# Altium PCB 大创_电机驱动MCU部分.PcbDoc
Units mm, origin at the board's own origin, x right, y up, seen from the top; angles counter-clockwise.
Board outline 98.01 x 89.03 mm, 2 copper layers (Top Layer, Bottom Layer); 11 components, 28 nets, 150 pads, 40 vias.
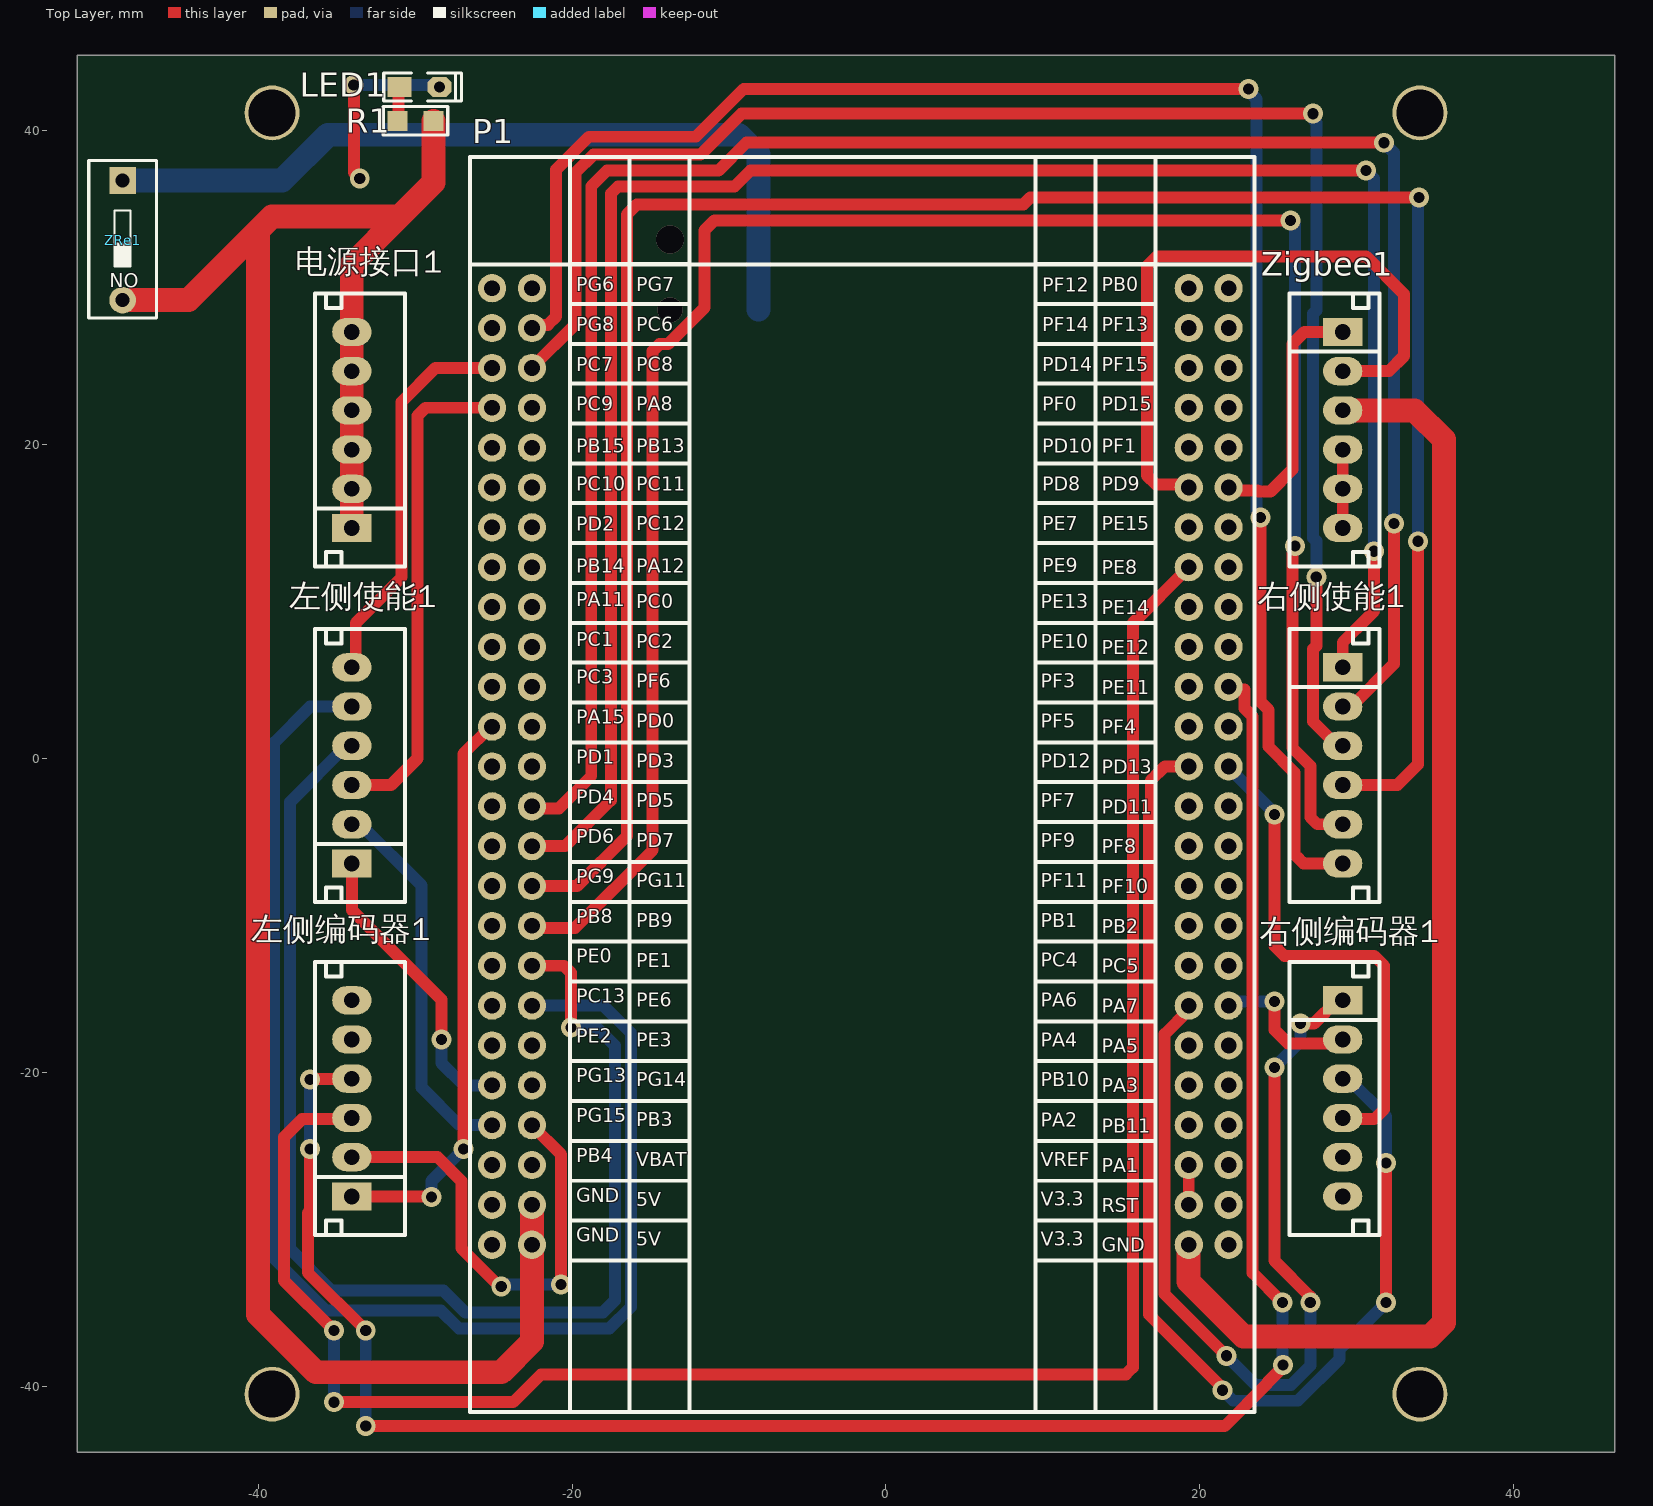
[diagram p0: Top Layer view]
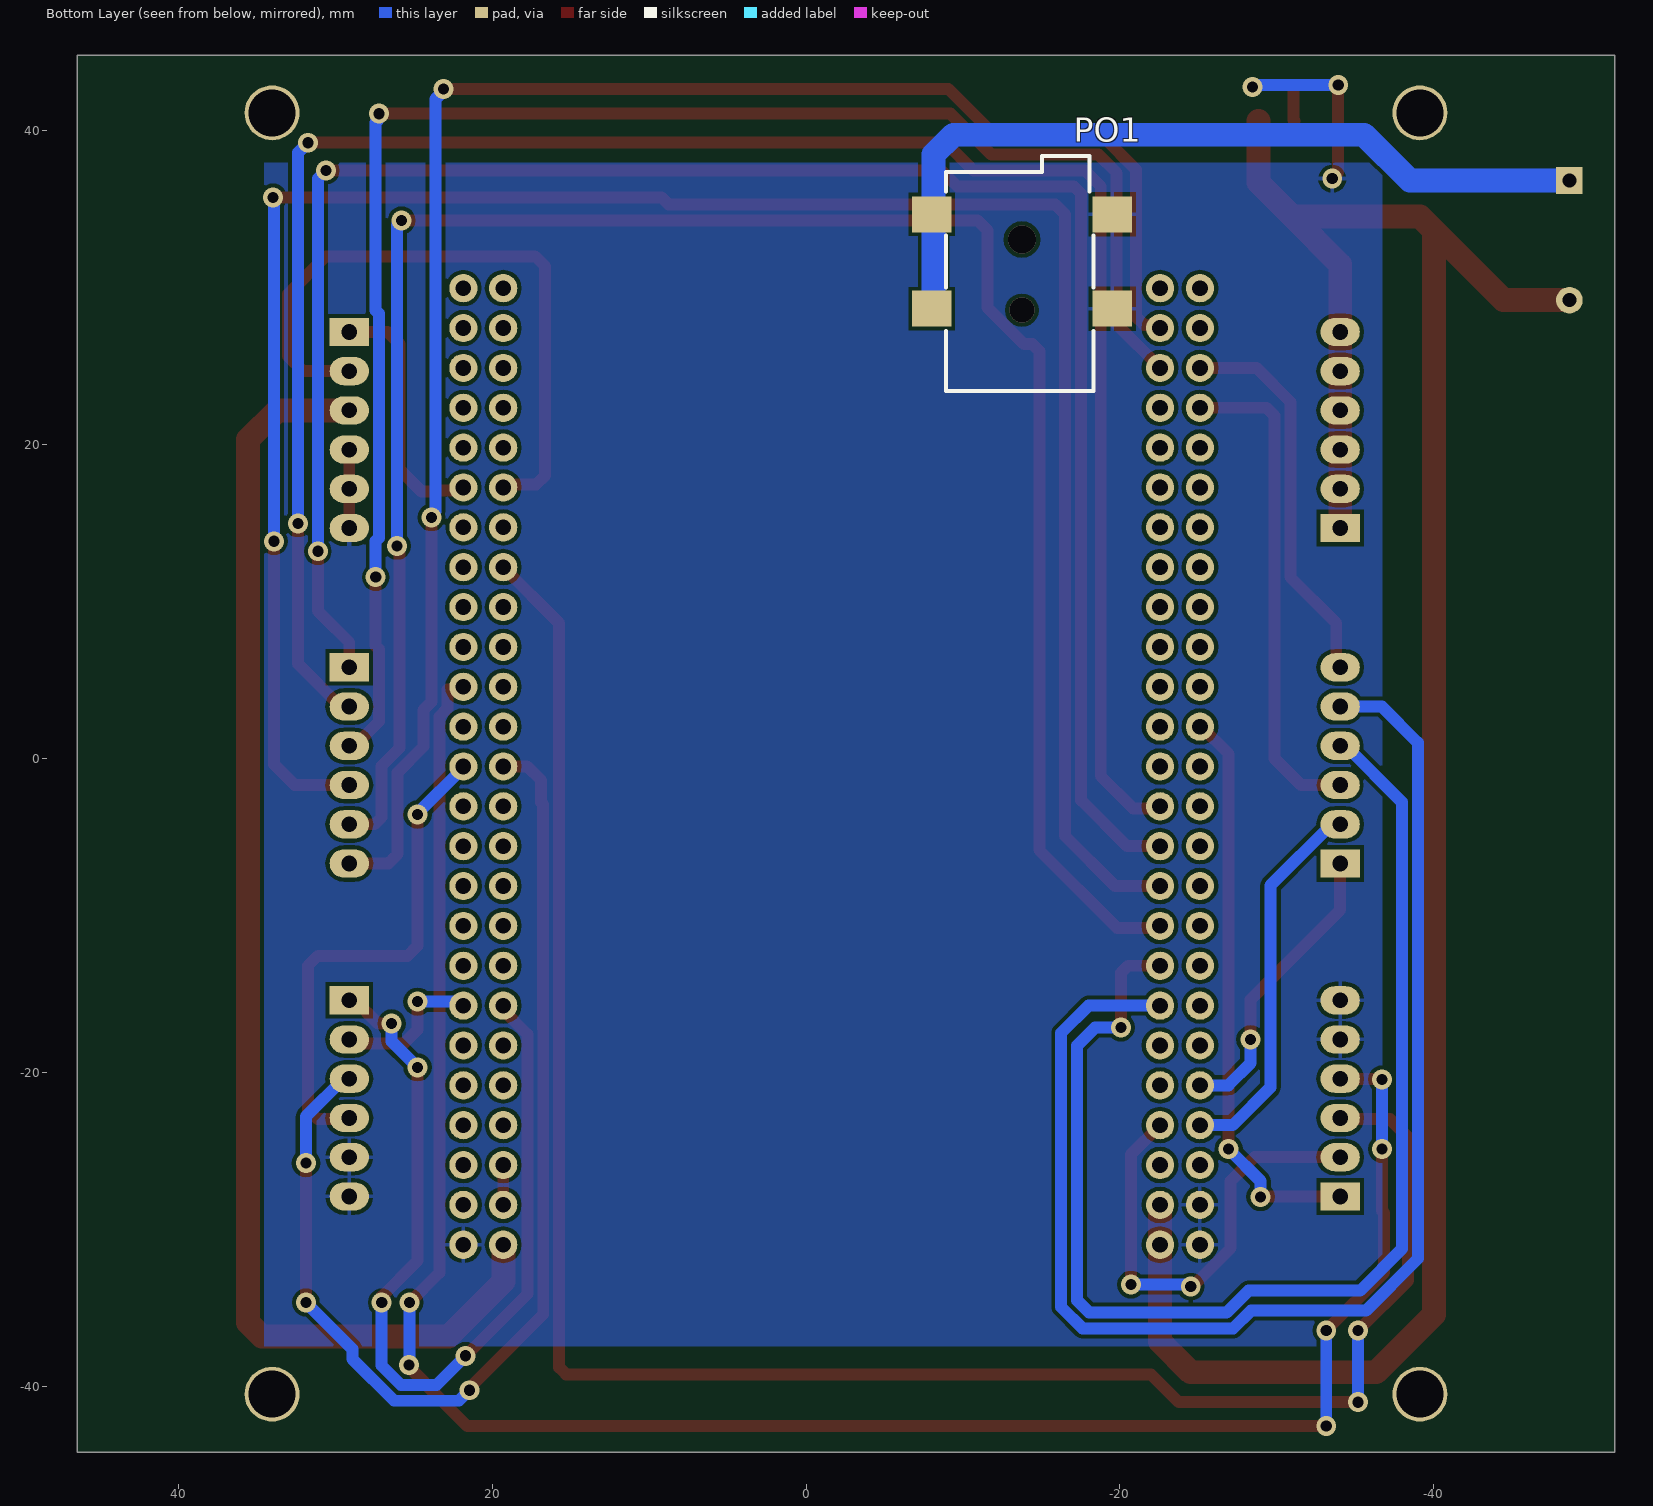
[diagram p1: Bottom Layer view, seen from below]
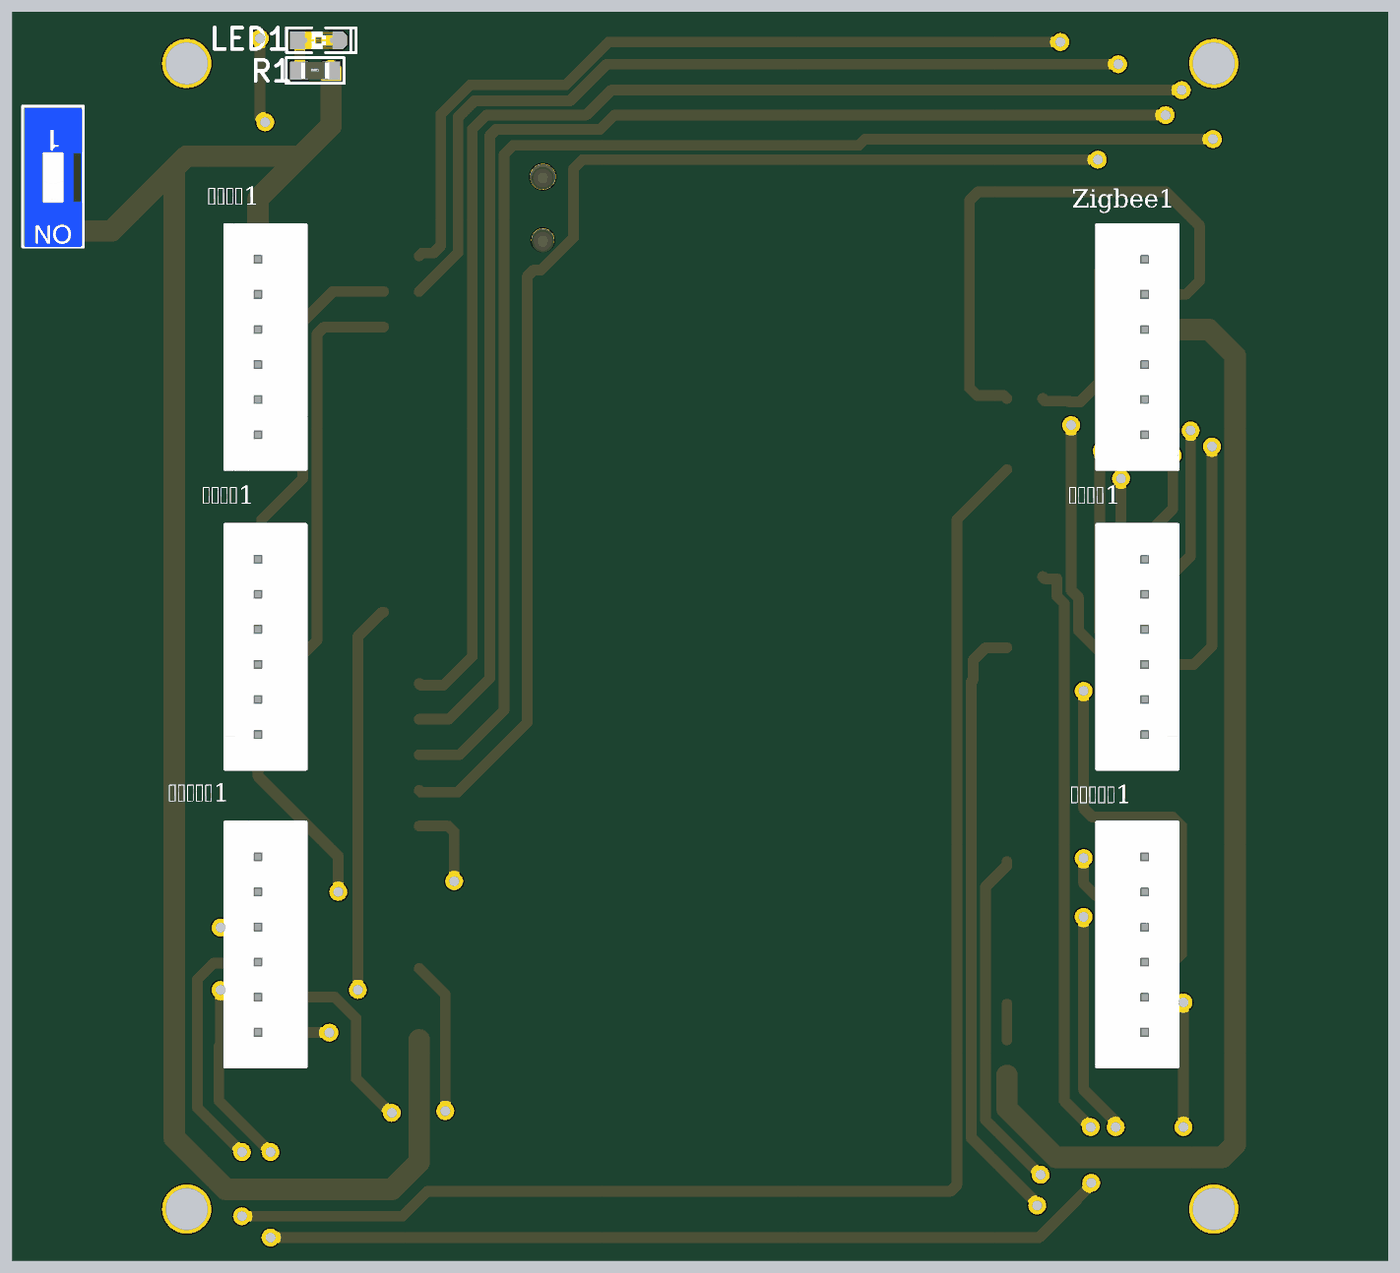
[diagram p2: 3D render of the assembled board from above, using the file's embedded part models]

## Layer stack, top to bottom
Top Solder: solder mask 0.0102, Solder Resist, Dk 3.5
Top Layer: signal copper 0.0356
Dielectric 1: dielectric 0.32, FR-4, Dk 4.8
Bottom Layer: signal copper 0.0356
Bottom Solder: solder mask 0.0102, Solder Resist, Dk 3.5

## Board outline
-51.545,-44.196 -51.545,44.831 46.465,44.831 46.465,-44.196

## Design rules (kind name [scope] priority, off if disabled: settings)
Clearance [All] p1: gap=0.254 ignorepadtopadclearanceinfootprint=FALSE except(0: Arc-Hole Track-Hole SMDPad-Hole THPad-Hole Via-Hole Fill-Hole Poly-Hole Region-Hole Text-Hole)
HoleSize [All] p1: absolutevalues=TRUE maxlimit=3.81 minlimit=0.025 maxpercent=80.000 minpercent=20.000
PolygonConnect [All] p1: connectstyle=Relief reliefconductorwidth=0.254 reliefentries=4 polygonreliefangle="90 Angle" airgapwidth=0.254
RoutingVias [All] p1: holewidth=0.711 width=1.27 viastyle="Through Hole" minholewidth=0.711 minwidth=1.27 maxholewidth=0.711 maxwidth=1.27
SilkToSilkClearance [All] p1: silktosilkclearance=0.025
SilkToSolderMaskClearance [IsPad] p1: minsilkscreentomaskgap=0.025 clearancetoexposedcopper=TRUE
SolderMaskExpansion [All] p1: expansion=0.102 istentingtop=FALSE
Width [All] p1: maxlimit=2.54 minlimit=0.254 preferedwidth=0.762 minimp=50.000000 maximp=50.000000 favimp=50.000000
27 further rules are at their usual default settings.

## Components (designator, comment, footprint, x,y, rotation, side; value= is the part's Value field where it differs from the comment)
LED1 "MCU指示" "LED 0805R" -29.718,42.799 r0 top
P1 "STM32F103ZET6" 主控STM32F103ZET6 -102.185,3.048 r0 top locked
PO1 "POWER" DC-050-5.5*2.1_贴片 -13.751,33.071 r90 bottom
R1 "2.5k" "R 0805_M" -29.972,40.64 r0 top
Zigbee1 "XH6" XH6/2.54mm/180 29.117,27.185 r270 top
ZRe1 "ZigReset" 蓝色拨码开关_1p -48.641,33.02 r180 top
右侧使能1 "XH6" XH6/2.54mm/180 29.117,5.809 r270 top
右侧编码器1 "XH6" XH6/2.54mm/180 29.117,-15.407 r270 top
左侧使能1 "XH6" XH6/2.54mm/180 -34.036,-6.691 r90 top
左侧编码器1 "XH6" XH6/2.54mm/180 -34.036,-27.907 r90 top
电源接口1 "XH6" XH6/2.54mm/180 -34.036,14.685 r90 top

## Footprints (in the part's own frame and the unit in brackets; to place one, negate y for a bottom-side part, rotate by r counter-clockwise, add the part's x,y. Pads: shape width x height; smd on the part's side, far side on the other; paste and mask are expansions set on the pad)
DC-050-5.5*2.1_贴片 [mm] "5.5*2.1"
  rect 2.3x2.5 smd: 1(-4.4,5.75) 1(1.6,5.75) 2(-4.4,-5.75) 3(1.6,-5.75)
  silkscreen extent -9.65,-4.57 5.33,4.83, body extent -9.59,-6.3 5.21,6.3, height 11
"LED 0805R" [mil] "红色0805LED"
  rect 60x50 smd: 1(-50,0)
  oct 60x50 smd: 2(50,0)
  silkscreen extent -90,-35 105,35, body extent -39,-25 39,25, height 32
"R 0805_M" [mil] "1/8W贴片电阻"
  rect 50x50 smd: 1(-45,0) 2(45,0)
  silkscreen extent -81,-36 81,36, body extent -39,-25 39,25, height 20
XH6/2.54mm/180 [mm]
  rect 1.8x2.5 hole 1: 1(0,0)
  oval 1.8x2.5 hole 1: 2(2.5,0) 3(5,0) 4(7.5,0) 5(10,0) 6(12.5,0)
  silkscreen extent -2.45,-3.4 14.95,2.35, body extent -2.45,-3.4 14.95,2.35, height 7
主控STM32F103ZET6 [mm]
  round 1.8 hole 1 paste+0: 1(124.029,26.924) 2(124.029,24.384) 3(124.029,21.844) 4(124.029,19.304) 5(124.029,16.764) 6(124.029,14.224) 7(124.029,11.684) 8(124.029,9.144) 9(124.029,6.604) 10(124.029,4.064) 11(124.029,1.524) 12(124.029,-1.016) 13(124.029,-3.556) 14(124.029,-6.096) 15(124.029,-8.636) 16(124.029,-11.176) 17(124.029,-13.716) 18(124.029,-16.256) 19(124.029,-18.796) 20(124.029,-21.336) 21(124.029,-23.876) 22(124.029,-26.416) 23(124.029,-28.956) 24(124.029,-31.496) 25(124.029,-34.036) 26(121.489,-34.036) 27(121.489,-31.496) 28(121.489,-28.956) 29(121.489,-26.416) 30(121.489,-23.876) 31(121.489,-21.336) 32(121.489,-18.796) 33(121.489,-16.256) 34(121.489,-13.716) 35(121.489,-11.176) 36(121.489,-8.636) 37(121.489,-6.096) 38(121.489,-3.556) 39(121.489,-1.016) 40(121.489,1.524) 41(121.489,4.064) 42(121.489,6.604) 43(121.489,9.144) 44(121.489,11.684) 45(121.489,14.224) 46(121.489,16.764) 47(121.489,19.304) 48(121.489,21.844) 49(121.489,24.384) 50(121.489,26.924) 51(79.629,26.924) 52(79.629,24.384) 53(79.629,21.844) 54(79.629,19.304) 55(79.629,16.764) 56(79.629,14.224) 57(79.629,11.684) 58(79.629,9.144) 59(79.629,6.604) 60(79.629,4.064) 61(79.629,1.524) 62(79.629,-1.016) 63(79.629,-3.556) 64(79.629,-6.096) 65(79.629,-8.636) 66(79.629,-11.176) 67(79.629,-13.716) 68(79.629,-16.256) 69(79.629,-18.796) 70(79.629,-21.336) 71(79.629,-23.876) 72(79.629,-26.416) 73(79.629,-28.956) 74(79.629,-31.496) 75(79.629,-34.036) 76(77.089,26.924) 77(77.089,24.384) 78(77.089,21.844) 79(77.089,19.304) 80(77.089,16.764) 81(77.089,14.224) 82(77.089,11.684) 83(77.089,9.144) 84(77.089,6.604) 85(77.089,4.064) 86(77.089,1.524) 87(77.089,-1.016) 88(77.089,-3.556) 89(77.089,-6.096) 90(77.089,-8.636) 91(77.089,-11.176) 92(77.089,-13.716) 93(77.089,-16.256) 94(77.089,-18.796) 95(77.089,-21.336) 96(77.089,-23.876) 97(77.089,-26.416) 98(77.089,-28.956) 99(77.089,-31.496) 100(77.089,-34.036)
  silkscreen extent 75.69,-44.71 125.69,35.29
蓝色拨码开关_1p [mm] "4.1*9.9*7mm"
  rect 1.7x1.7 hole 0.9: 1(0,-3.81)
  round 1.7 hole 0.9: 2(0,3.81)
  silkscreen extent -2.16,-5.08 2.16,4.95, body extent -2.07,-4.95 2.03,4.95, height 6.65

## Part data
LED1: library part LED-SMD, "贴片LED", BOM名称=贴片LED, 学习资源=https://lmdzstyle.taobao.com/, 版权归属=黎明电子style
P1: "正电原子 STM32F103C8T6"
R1: library part R, "贴片电阻", BOM名称=贴片电阻, 学习资源=https://lmdzstyle.taobao.com/, 版权归属=黎明电子style
ZRe1: library part "TSW 3x6", "3x6轻触开关", BOM名称=3x6轻触开关, 学习资源=https://lmdzstyle.taobao.com/, 版权归属=黎明电子style

## Free pads (board coordinates)
  round 3.5 hole 3 unplated paste+0: 0(-39.116,-40.513) 0(-39.116,41.148) 0(34.036,-40.513) 0(34.036,41.148)

## Via types
v1: diameter 1.27, hole 0.711, Top Layer to Bottom Layer, 38 vias
v2: diameter 1.6, hole 1.6, Top Layer to Bottom Layer, 1 vias
v3: diameter 1.8, hole 1.8, Top Layer to Bottom Layer, 1 vias

## Nets (pads, with @x,y where several pads share a name; then routed paths per layer and width w, separated by ;. In a path a pad name is that pad's centre, name@x,y a point inside that pad or via, vN(x,y) a via of type N, cw(c..) or ccw(c..) an arc to the next point about the centre after c; other vN are vias at no path point)
GGND: LED1.2 P1.25 P1.99 P1.100 PO1.2 PO1.3 Zigbee1.4 Zigbee1.5 Zigbee1.6 右侧编码器1.5 右侧编码器1.6 左侧编码器1.5 左侧编码器1.6 | length 16.6
  Top Layer w0.762: v1(-33.909,42.926) -33.909,37.338 v1(-33.528,36.957) ; Zigbee1.6 Zigbee1.5 Zigbee1.4
  Bottom Layer w0.762: v1(-33.909,42.926) -28.712,42.926 -28.585,42.799 v1(-28.448,42.799)
NetLED1_1: LED1.1 R1.1 | length 2.2
  Top Layer w0.762: R1.1 -31.051,40.703 -31.051,42.735 LED1.1
NetP1_27: P1.27 P1.28 | length 2.5
  Top Layer w0.762: P1.27 P1.28
RX_Zigbee: P1.45 Zigbee1.2 | length 42.2
  Top Layer w0.762: P1.45 19.105,17.471 17.2,17.471 16.637,18.034 16.637,31.369 17.272,32.004 30.607,32.004 33.02,29.591 33.02,25.654 32.051,24.685 Zigbee1.2
TX_Zigbee: P1.6 Zigbee1.1 | length 16.3
  Top Layer w0.762: P1.6 22.043,17.073 23.694,17.073 23.749,17.018 24.511,17.018 25.908,18.415 25.908,26.416 26.677,27.185 Zigbee1.1
VBAT5: PO1.1 ZRe1.1 | length 52.1
  Bottom Layer w1.524: ZRe1.1 -38.481,36.83 -35.56,39.751 -9.398,39.751 -8.128,38.481 -8.128,34.671 PO1.1@-8.128,28.615
VCC3.3: P1.26 Zigbee1.3 | length 83.9
  Top Layer w1.524: P1.26 19.3,-30.992 19.3,-33.335 22.796,-36.83 34.667,-36.83 35.56,-35.937 35.56,20.32 33.695,22.185 Zigbee1.3
VCC5MCU: P1.74 P1.75 R1.2 ZRe1.2 电源接口1.1 电源接口1.2 电源接口1.3 电源接口1.4 电源接口1.5 电源接口1.6 | length 145.6
  Top Layer w1.524: ZRe1.2 -44.446,29.21 -40.005,33.651 ; 电源接口1.1 电源接口1.2 电源接口1.3 电源接口1.4 电源接口1.5 电源接口1.6 -34.036,31.496 -30.988,34.544 ; R1.2 -28.829,36.703 -30.988,34.544 ; P1.74 P1.75 -22.556,-37.161 -24.511,-39.116 -36.322,-39.116 -40.005,-35.433 -40.005,33.651 ; -40.005,33.651 -39.112,34.544 -30.988,34.544
右前ENABLE: P1.53 右侧使能1.3 | length 103.8
  Top Layer w0.762: P1.53 -19.792,27.656 -19.792,37.318 -18.629,38.481 -11.811,38.481 -9.198,41.094 v1(27.232,41.094) ; v1(27.432,11.557) 27.432,7.172 27.232,6.972 27.232,2.344 28.767,0.809 右侧使能1.3
  Bottom Layer w0.762: v1(27.232,41.094) 27.329,40.997 27.329,40.638 27.432,40.535 27.432,28.548 27.232,28.348 27.232,14.049 27.432,13.849 v1(27.432,11.557)
右前IN1: P1.65 右侧使能1.1 | length 126.3
  Top Layer w0.762: P1.65 -20.447,-5.588 -17.526,-2.667 -17.526,36.003 -17.08,36.449 -9.652,36.449 -8.636,37.465 v1(30.607,37.465) ; 右侧使能1.1 29.117,7.4 30.734,9.017 31.115,9.398 v1(31.115,13.208)
  Bottom Layer w0.762: v1(30.607,37.465) 31.115,36.957 v1(31.115,13.208)
右前IN2: P1.64 右侧使能1.2 | length 131.8
  Top Layer w0.762: P1.64 -22.429,-3.175 -20.828,-3.175 -18.776,-1.123 -18.776,36.469 -17.78,37.465 -10.668,37.465 -8.89,39.243 v1(31.75,39.243) ; 右侧使能1.2 29.665,3.309 32.385,6.029 v1(32.385,14.986)
  Bottom Layer w0.762: v1(31.75,39.243) 32.385,38.608 v1(32.385,14.986)
右前编码器正: P1.32 右侧编码器1.1 | length 58
  Top Layer w0.762: P1.32 19.304,-16.029 17.769,-17.564 17.769,-34.138 21.697,-38.066 v1(21.701,-38.066) ; v1(24.765,-19.685) 24.765,-32.004 27.051,-34.29 v1(27.051,-34.671) ; v1(26.416,-16.891) 27.283,-16.891 28.767,-15.407 右侧编码器1.1
  Bottom Layer w0.762: v1(21.701,-38.066) 23.548,-39.913 25.834,-39.913 27.051,-38.695 v1(27.051,-34.671) ; v1(24.765,-19.685) 26.416,-18.034 v1(26.416,-16.891)
右前编码器负: P1.19 右侧编码器1.2 | length 9.6
  Top Layer w0.762: v1(24.765,-15.494) 24.765,-17.29 25.636,-18.161 28.863,-18.161 右侧编码器1.2
  Bottom Layer w0.762: P1.19 22.098,-15.494 v1(24.765,-15.494)
右后ENABLE: P1.52 右侧使能1.6 | length 110.8
  Top Layer w0.762: P1.52 -22.357,27.631 -21.545,27.631 -21.021,28.155 -21.021,37.526 -18.923,39.624 -12.105,39.624 -9.057,42.672 v1(23.114,42.672) ; v1(23.876,15.367) 23.876,3.608 24.395,3.089 24.395,0.751 26.035,-0.889 26.035,-6.096 26.289,-6.35 26.63,-6.691 右侧使能1.6
  Bottom Layer w0.762: v1(23.114,42.672) 23.114,42.535 23.622,42.027 23.622,15.758 23.876,15.504 v1(23.876,15.367)
右后IN1: P1.66 右侧使能1.4 | length 139.4
  Top Layer w0.762: P1.66 -19.685,-8.128 -16.51,-4.953 -16.51,34.671 -15.875,35.306 8.758,35.306 9.202,35.75 v1(33.972,35.75) ; 右侧使能1.4 32.599,-1.691 33.909,-0.381 v1(33.909,13.843)
  Bottom Layer w0.762: v1(33.909,13.843) 33.909,35.687 v1(33.972,35.75)
右后IN2: P1.67 右侧使能1.5 | length 129.5
  Top Layer w0.762: P1.67 -22.429,-10.795 -19.812,-10.795 -14.859,-5.842 -14.859,25.97 -14.413,26.416 -13.877,26.416 -11.557,28.736 -11.557,33.655 -10.922,34.29 v1(25.781,34.29) ; v1(26.065,13.547) 25.968,13.45 25.968,13.134 25.908,13.074 25.908,0.675 27.051,-0.468 27.051,-3.745 27.497,-4.191 右侧使能1.5
  Bottom Layer w0.762: v1(25.781,34.29) 26.065,34.006 v1(26.065,13.547)
右后编码器正: P1.38 右侧编码器1.3 | length 72.9
  Top Layer w0.762: P1.38 17.78,-0.508 16.891,-1.397 16.891,-2.794 16.764,-2.921 16.764,-17.22 16.753,-17.231 16.753,-35.422 21.463,-40.132 v1(21.463,-40.259) ; v1(31.877,-34.671) v1(31.877,-25.781)
  Bottom Layer w0.762: v1(21.463,-40.259) 22.133,-40.929 26.254,-40.929 28.907,-38.276 28.907,-37.641 v1(31.877,-34.671) ; 右侧编码器1.3 29.467,-20.407 31.877,-22.817 v1(31.877,-25.781)
右后编码器负: P1.13 右侧编码器1.4 | length 32.2
  Top Layer w0.762: v1(24.765,-3.574) 24.765,-11.938 25.4,-12.573 31.115,-12.573 31.75,-13.208 31.75,-22.352 31.115,-22.987 29.197,-22.987 右侧编码器1.4
  Bottom Layer w0.762: P1.13 21.844,-0.581 24.765,-3.502 v1(24.765,-3.574)
左前ENABLE: P1.79 左侧使能1.3 | length 31.7
  Top Layer w0.762: 左侧使能1.3 -31.536,-1.691 -29.845,0 -29.845,21.844 -29.337,22.352 P1.79
左前IN1: P1.96 左侧使能1.1 | length 18.9
  Top Layer w0.762: 左侧使能1.1 -34.036,-9.652 -28.321,-15.367 v1(-28.321,-17.907)
  Bottom Layer w0.762: v1(-28.321,-17.907) -28.321,-19.415 -26.908,-20.828 P1.96
左前IN2: P1.97 左侧使能1.2 | length 24.4
  Bottom Layer w0.762: 左侧使能1.2 -33.488,-4.191 -29.591,-8.088 -29.591,-20.955 -27.178,-23.368 P1.97
左前编码器正: P1.87 左侧编码器1.1 | length 36.7
  Top Layer w0.762: 左侧编码器1.1 -34.02,-27.924 -28.972,-27.924 v1(-28.956,-27.94) ; v1(-26.924,-24.892) -26.924,0.299 -25.191,2.032 P1.87
  Bottom Layer w0.762: v1(-28.956,-27.94) -28.956,-26.924 v1(-26.924,-24.892)
左前编码器负: P1.72 左侧编码器1.2 | length 30.2
  Top Layer w0.762: 左侧编码器1.2 -28.568,-25.407 -27.051,-26.924 -27.051,-31.204 -24.6,-33.655 v1(-24.511,-33.655) ; P1.72 -20.701,-25.223 v1(-20.701,-33.528)
  Bottom Layer w0.762: v1(-24.511,-33.655) -24.384,-33.528 v1(-20.701,-33.528)
左后ENABLE: P1.78 左侧使能1.6 | length 24.9
  Top Layer w0.762: 左侧使能1.6 -33.782,6.063 -33.782,8.636 -30.861,11.557 -30.861,22.733 -28.702,24.892 P1.78
左后IN1: P1.68 左侧使能1.4 | length 82.3
  Top Layer w0.762: P1.68 -20.512,-13.208 -20.066,-13.654 v1(-20.066,-17.145)
  Bottom Layer w0.762: 左侧使能1.4 -34.386,0.809 -37.973,-2.778 -37.973,-31.242 -35.306,-33.909 -28.194,-33.909 -26.797,-35.306 -18.034,-35.306 -17.272,-34.544 -17.272,-18.288 -18.415,-17.145 v1(-20.066,-17.145)
左后IN2: P1.69 左侧使能1.5 | length 88.4
  Bottom Layer w0.762: 左侧使能1.5 -36.696,3.309 -38.989,1.016 -38.989,-31.877 -35.687,-35.179 -28.361,-35.179 -27.218,-36.322 -17.613,-36.322 -16.256,-34.965 -16.256,-17.486 -17.994,-15.748 P1.69
左后编码器正: P1.43 左侧编码器1.3 | length 127.3
  Top Layer w0.762: v1(-35.179,-41.021) -23.749,-41.021 -21.971,-39.243 15.291,-39.243 15.737,-38.797 15.737,-16.811 15.748,-16.8 15.748,8.636 P1.43 ; v1(-35.179,-36.449) -38.354,-33.274 -38.354,-24.13 -37.211,-22.987 -34.116,-22.987 左侧编码器1.3
  Bottom Layer w0.762: v1(-35.179,-41.021) v1(-35.179,-36.449)
左后编码器负: P1.11 左侧编码器1.4 | length 131.7
  Top Layer w0.762: v1(-36.703,-24.892) -36.703,-28.834 -36.83,-28.961 -36.83,-32.766 v1(-33.147,-36.449) ; v1(-36.703,-20.447) -36.683,-20.427 -34.056,-20.427 左侧编码器1.4 ; v1(-33.147,-42.545) 21.59,-42.545 24.322,-39.813 24.322,-39.765 25.308,-38.78 v1(25.308,-38.643) ; P1.11 22.005,4.411 22.86,4.411 22.86,3.187 23.379,2.668 23.379,-32.777 v1(25.273,-34.671)
  Bottom Layer w0.762: v1(-36.703,-24.892) v1(-36.703,-20.447) ; v1(-33.147,-42.545) v1(-33.147,-36.449) ; v1(25.273,-34.671) 25.29,-34.688 25.29,-38.625 v1(25.308,-38.643)
pads on no net: P1.1 P1.2 P1.3 P1.4 P1.5 P1.7 P1.8 P1.9 P1.10 P1.12 P1.14 P1.15 P1.16 P1.17 P1.18 P1.20 P1.21 P1.22 P1.23 P1.24 P1.29 P1.30 P1.31 P1.33 P1.34 P1.35 P1.36 P1.37 P1.39 P1.40 P1.41 P1.42 P1.44 P1.46 P1.47 P1.48 P1.49 P1.50 P1.51 P1.54 P1.55 P1.56 P1.57 P1.58 P1.59 P1.60 P1.61 P1.62 P1.63 P1.70 P1.71 P1.73 P1.76 P1.77 P1.80 P1.81 P1.82 P1.83 P1.84 P1.85 P1.86 P1.88 P1.89 P1.90 P1.91 P1.92 P1.93 P1.94 P1.95 P1.98
copper on no net:
  other v2: -13.751,28.571
  other v3: -13.751,33.071

## Polygon pours and split planes (outlines as drawn)
GGND on Bottom Layer "GGND_L02_P000" (solid, pour order 0): 34.544,37.973 34.544,-37.465 -36.83,-37.465 -36.703,-37.338 -36.703,37.973 -35.433,37.973

## Silkscreen, mask and mechanical layers (free items; w line width, h text height)
Mechanical 1:
  lines w0.254: -51.545,-44.196 -51.545,43.942 -51.545,44.831 46.465,44.831 46.465,-44.196 -51.545,-44.196

## Text inside footprints (layer, text, board x,y; h text height)
P1: Top Overlay "GND" at 13.766,-31.761 h1.52; Top Overlay "RST" at 13.767,-29.221 h1.52; Top Overlay "PA1" at 13.766,-26.694 h1.52; Top Overlay "PB11" at 13.766,-24.154 h1.52; Top Overlay "PA3" at 13.766,-21.601 h1.52; Top Overlay "PA5" at 13.766,-19.061 h1.52; Top Overlay "PA7" at 13.766,-16.521 h1.52; Top Overlay "PC5" at 13.766,-13.981 h1.52; Top Overlay "PB2" at 13.766,-11.454 h1.52; Top Overlay "PF10" at 13.766,-8.901 h1.52; Top Overlay "PF8" at 13.766,-6.361 h1.52; Top Overlay "PD11" at 13.766,-3.834 h1.52; Top Overlay "PD13" at 13.766,-1.281 h1.52; Top Overlay "PF4" at 13.766,1.246 h1.52; Top Overlay "PE11" at 13.766,3.786 h1.52; Top Overlay "PE12" at 13.766,6.326 h1.52; Top Overlay "PE14" at 13.766,8.866 h1.52; Top Overlay "PE8" at 13.766,11.419 h1.52; Top Overlay "V3.3" at 9.867,-28.835 h1.52; Top Overlay "VREF" at 9.867,-26.313 h1.52; Top Overlay "V3.3" at 9.867,-31.375 h1.52; Top Overlay "PA2" at 9.867,-23.773 h1.52; Top Overlay "PB10" at 9.867,-21.22 h1.52; Top Overlay "PA4" at 9.867,-18.693 h1.52; Top Overlay "PA6" at 9.867,-16.14 h1.52; Top Overlay "PC4" at 9.867,-13.6 h1.52; Top Overlay "PB1" at 9.867,-11.073 h1.52; Top Overlay "PF11" at 9.867,-8.533 h1.52; Top Overlay "PF9" at 9.867,-5.98 h1.52; Top Overlay "PF7" at 9.867,-3.44 h1.52; Top Overlay "PD12" at 9.867,-0.913 h1.52; Top Overlay "PF5" at 9.867,1.64 h1.52; Top Overlay "PF3" at 9.867,4.18 h1.52; Top Overlay "PE10" at 9.867,6.72 h1.52; Top Overlay "PE13" at 9.867,9.26 h1.52; Top Overlay "5V" at -15.914,-31.38 h1.52; Top Overlay "5V" at -15.914,-28.84 h1.52; Top Overlay "VBAT" at -15.914,-26.313 h1.52; Top Overlay "PB3" at -15.914,-23.76 h1.52; Top Overlay "PG14" at -15.914,-21.22 h1.52; Top Overlay "PE3" at -15.914,-18.68 h1.52; Top Overlay "PE6" at -15.914,-16.14 h1.52; Top Overlay "PE1" at -15.914,-13.613 h1.52; Top Overlay "PB9" at -15.914,-11.06 h1.52; Top Overlay "PG11" at -15.914,-8.52 h1.52; Top Overlay "PD7" at -15.914,-5.98 h1.52; Top Overlay "PD5" at -15.914,-3.44 h1.52; Top Overlay "PD3" at -15.914,-0.9 h1.52; Top Overlay "PD0" at -15.914,1.64 h1.52; Top Overlay "PF6" at -15.914,4.18 h1.52; Top Overlay "PC2" at -15.914,6.72 h1.52; Top Overlay "PC0" at -15.914,9.26 h1.52; Top Overlay "PC1" at -19.724,6.847 h1.52; Top Overlay "GND" at -19.724,-31.126 h1.52; Top Overlay "GND" at -19.724,-28.586 h1.52; Top Overlay "PB4" at -19.724,-26.059 h1.52; Top Overlay "PG15" at -19.724,-23.506 h1.52; Top Overlay "PG13" at -19.724,-20.966 h1.52; Top Overlay "PE2" at -19.724,-18.439 h1.52; Top Overlay "PC13" at -19.724,-15.886 h1.52; Top Overlay "PE0" at -19.724,-13.346 h1.52; Top Overlay "PB8" at -19.724,-10.806 h1.52; Top Overlay "PG9" at -19.724,-8.266 h1.52; Top Overlay "PD6" at -19.724,-5.726 h1.52; Top Overlay "PD4" at -19.724,-3.199 h1.52; Top Overlay "PD1" at -19.724,-0.659 h1.52; Top Overlay "PA15" at -19.724,1.894 h1.52; Top Overlay "PC3" at -19.724,4.434 h1.52; Top Overlay "PA11" at -19.724,9.374 h1.52; Top Overlay "PB14" at -19.724,11.533 h1.52; Top Overlay "PD2" at -19.724,14.2 h1.52; Top Overlay "PC10" at -19.724,16.753 h1.52; Top Overlay "PB15" at -19.724,19.166 h1.52; Top Overlay "PC9" at -19.724,21.833 h1.52; Top Overlay "PC7" at -19.724,24.373 h1.52; Top Overlay "PG8" at -19.724,26.913 h1.52; Top Overlay "PG6" at -19.724,29.453 h1.52; Top Overlay "PE15" at 13.766,14.213 h1.52; Top Overlay "PD9" at 13.766,16.753 h1.52; Top Overlay "PF1" at 13.766,19.153 h1.52; Top Overlay "PD15" at 13.766,21.833 h1.52; Top Overlay "PF15" at 13.766,24.373 h1.52; Top Overlay "PF13" at 13.766,26.913 h1.52; Top Overlay "PB0" at 13.766,29.453 h1.52; Top Overlay "PA12" at -15.914,11.533 h1.52; Top Overlay "PC12" at -15.914,14.213 h1.52; Top Overlay "PC11" at -15.914,16.753 h1.52; Top Overlay "PB13" at -15.914,19.166 h1.52; Top Overlay "PA8" at -15.914,21.833 h1.52; Top Overlay "PC8" at -15.914,24.373 h1.52; Top Overlay "PC6" at -15.914,26.913 h1.52; Top Overlay "PG7" at -15.914,29.453 h1.52; Top Overlay "PE9" at 9.956,11.546 h1.52; Top Overlay "PE7" at 9.956,14.213 h1.52; Top Overlay "PD8" at 9.956,16.753 h1.52; Top Overlay "PD10" at 9.956,19.166 h1.52; Top Overlay "PF0" at 9.956,21.833 h1.52; Top Overlay "PD14" at 9.956,24.36 h1.52; Top Overlay "PF14" at 9.956,26.9 h1.52; Top Overlay "PF12" at 9.956,29.44 h1.52
ZRe1: Top Overlay "ON" at -47.625,31.242 h1.52 r180